# Altium PCB SG1.PcbDoc (part 2 of 3) (continued)
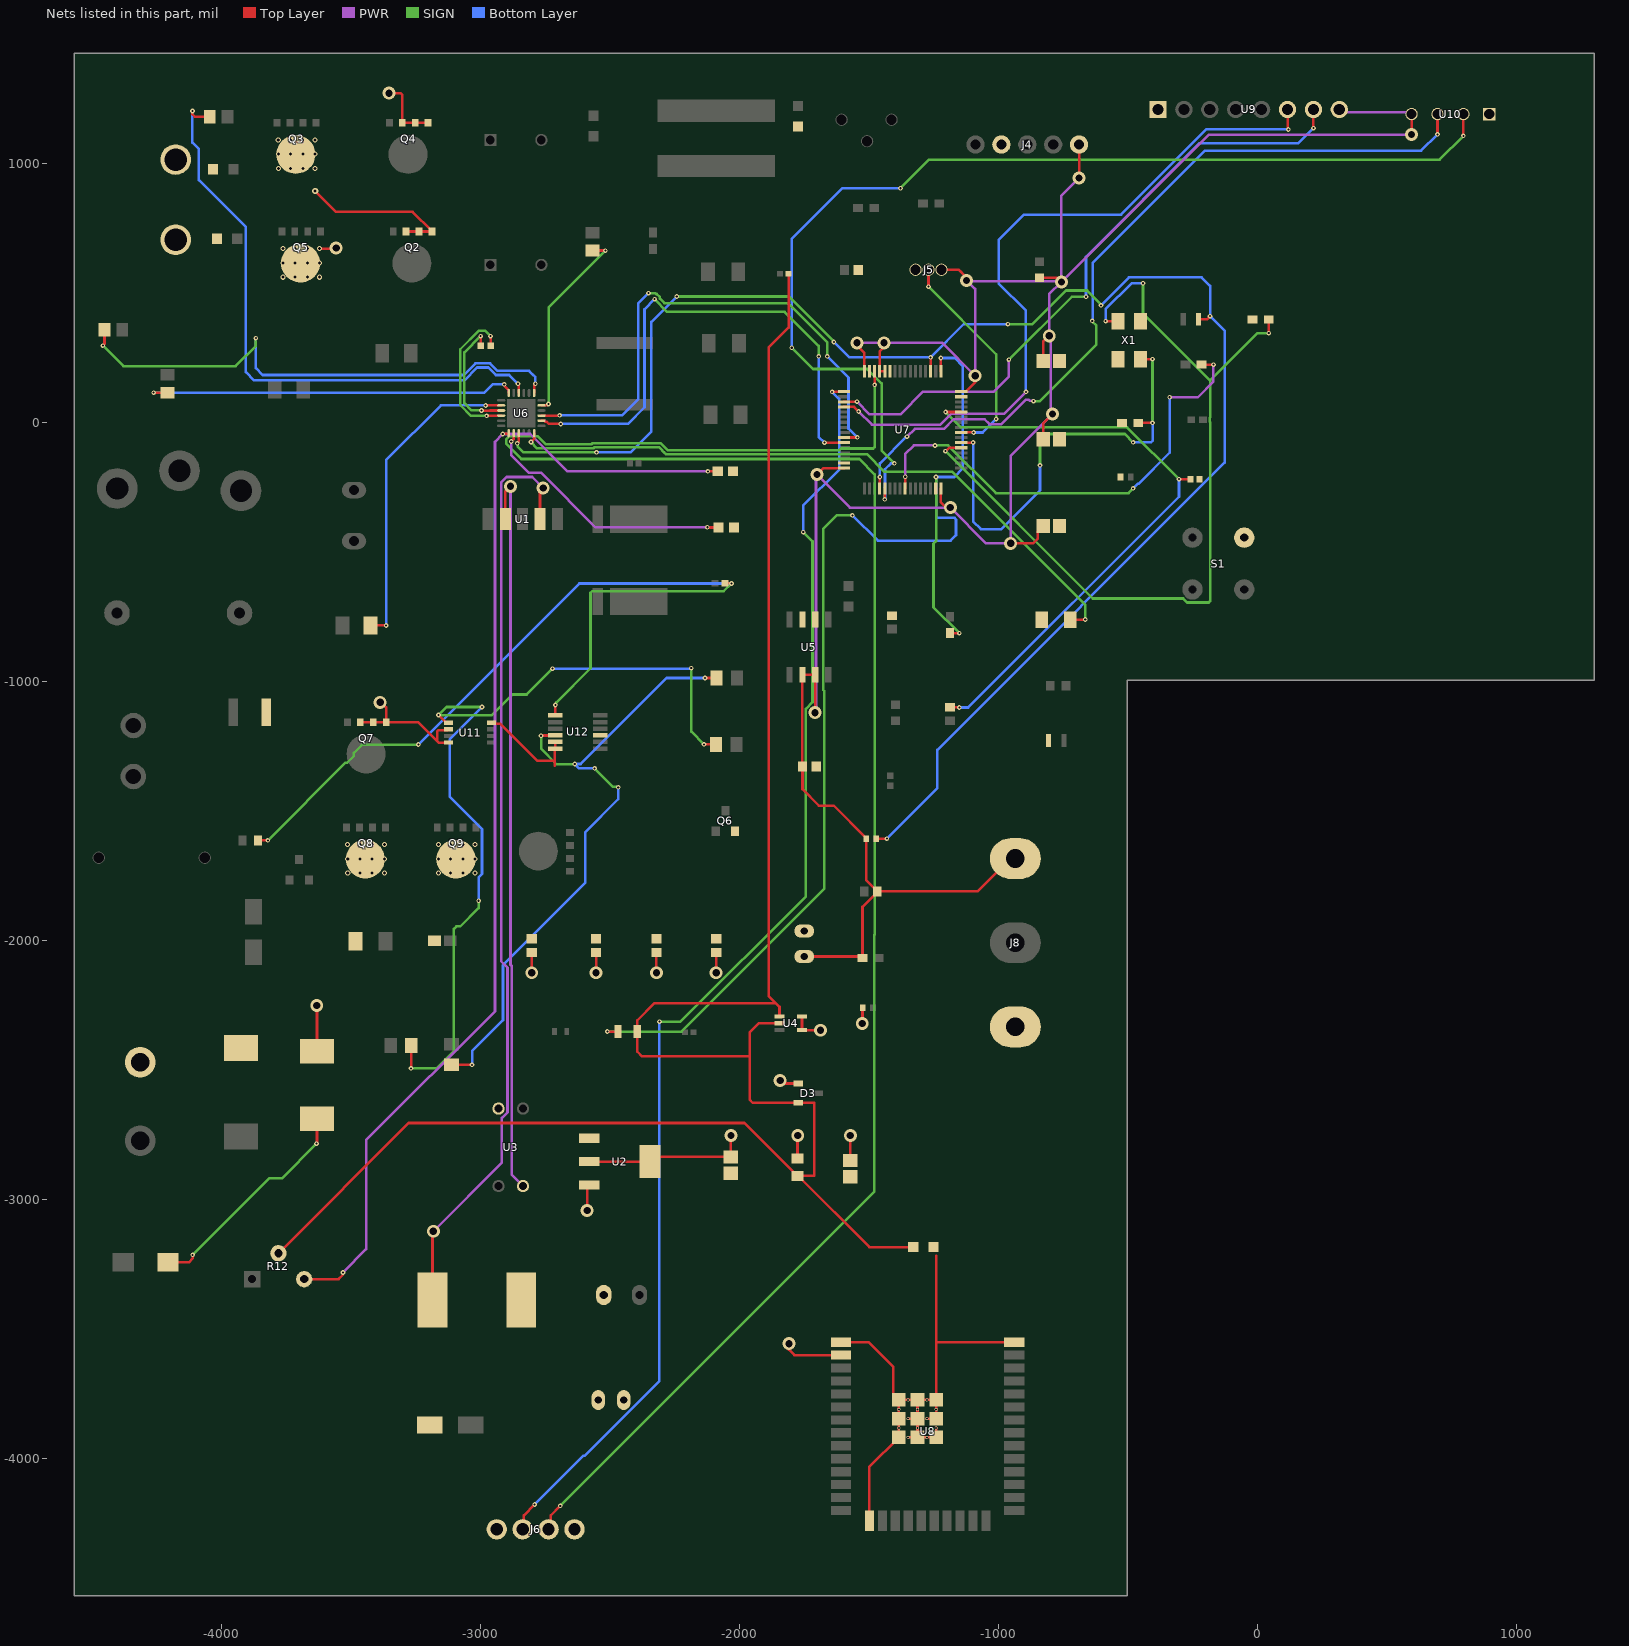
[diagram p6: the nets of this part, all layers, seen from the top]
## Part data (continued)
R30: "Res Thick Film 0805 187K Ohm 1% 0.125W(1/8W) ±100ppm/C Pad SMD T/R", Case Code (Imperial)=0805, Manufacturer="Yageo Group", Manufacturer Package Identifier="0805 (2012 metric)", Max Operating Temperature=155°C, Max Power Dissipation=125mW, Min Operating Temperature=-55°C, Supplier Part Number=RC0805FR-07187KL., Temperature Coefficient=100ppm/°C, Tolerance=1%, Voltage Rating=150V, Case/Package=0805, Category="Chip SMD Resistors", China RoHS=Non-Compliant, ComponentLink1Description=https://datasheet.octopart.com:443/RC0805FR-07187KL-Yageo-datasheet-175887523.pdf?src-supplier=IHS, ComponentLink1URL=https://datasheet.octopart.com:443/RC0805FR-07187KL-Yageo-datasheet-175887523.pdf?src-supplier=IHS, ComponentLink2Description=https://datasheet.octopart.com:443/RC0805FR-07187KL-Yageo-datasheet-103092701.pdf?src-supplier=Upverter, ComponentLink2URL=https://datasheet.octopart.com:443/RC0805FR-07187KL-Yageo-datasheet-103092701.pdf?src-supplier=Upverter, ComponentLink3Description=https://datasheet.octopart.com:443/RC0805FR-07187KL-Yageo-Group-datasheet-190305687.pdf?src-supplier=Future+Electronics, ComponentLink3URL=https://datasheet.octopart.com:443/RC0805FR-07187KL-Yageo-Group-datasheet-190305687.pdf?src-supplier=Future+Electronics, ComponentLink4Description=https://datasheet.octopart.com:443/RC0805FR-07187KL-Yageo-datasheet-12592811.pdf?src-supplier=Future+Electronics, ComponentLink4URL=https://datasheet.octopart.com:443/RC0805FR-07187KL-Yageo-datasheet-12592811.pdf?src-supplier=Future+Electronics, ComponentLink5Description=https://datasheet.octopart.com:443/RC0805FR-07187KL-Yageo-datasheet-8330313.pdf?src-supplier=Future+Electronics, ComponentLink5URL=https://datasheet.octopart.com:443/RC0805FR-07187KL-Yageo-datasheet-8330313.pdf?src-supplier=Future+Electronics, ComponentLink6Description=https://datasheet.octopart.com:443/RC0805FR-07187KL-Yageo-datasheet-8324252.pdf?src-supplier=Future+Electronics, ComponentLink6URL=https://datasheet.octopart.com:443/RC0805FR-07187KL-Yageo-datasheet-8324252.pdf?src-supplier=Future+Electronics, ComponentLink7Description=https://datasheet.octopart.com/RC0805FR-07187KL-Yageo-datasheet-73766026.pdf, ComponentLink7URL=https://datasheet.octopart.com/RC0805FR-07187KL-Yageo-datasheet-73766026.pdf, ComponentLink8Description=https://datasheet.octopart.com:443/RC0805FR-07187KL-Yageo-datasheet-118657.pdf?src-supplier=DigiKey, ComponentLink8URL=https://datasheet.octopart.com:443/RC0805FR-07187KL-Yageo-datasheet-118657.pdf?src-supplier=DigiKey, ComponentLink9Description=http://sigma.octopart.com:80/conflict_mineral_statement/Yageo-company-3.pdf?src-supplier=Compliance+Statements, ComponentLink9URL=http://sigma.octopart.com:80/conflict_mineral_statement/Yageo-company-3.pdf?src-supplier=Compliance+Statements, ComponentLink10Description=http://sigma.octopart.com:80/rohs_statement/Yageo-company-2.pdf?src-supplier=Compliance+Statements, ComponentLink10URL=http://sigma.octopart.com:80/rohs_statement/Yageo-company-2.pdf?src-supplier=Compliance+Statements, Composition="Thick Film", Contact Plating="Lead, Tin", Country of Origin="Mainland China, Taiwan", Export Control Classification Number (ECCN) Code=EAR99, Features="Moisture Resistant", Harmonized Tariff Schedule (HTS) Code=8533.21.00.30, Height=500µm, Lead Free="Lead Free", Length=2mm, Lifecycle Status=Production, Manufacturer Part Number=RC0805FR-07187KL, Mounting Technology="Surface Mount", Number of Terminals=2, Number of Terminations=2, Power Rating=125mW, Pricing="1=0,0999, 25=0,0088, 100=0,0077 (EUR)", Radiation Hardening=No, REACH SVHC=Yes, RoHS=Compliant, Schedule B="8533210045, 8533210045|8533210045|8533210045|8533210045|8533210045", Stock=1946, Supplier=Farnell, Termination=SMD/SMT, Width=1.25mm, Working Voltage=150V, Introduction Date=2004-09-22
R31: "Res Thick Film 0805 8.87K Ohm 1% 0.125W(1/8W) ±100ppm/C Pad SMD T/R", Case Code (Imperial)=0805, Manufacturer="Yageo Group", Manufacturer Package Identifier="0805 (2012 metric)", Max Operating Temperature=155°C, Max Power Dissipation=125mW, Min Operating Temperature=-55°C, Temperature Coefficient=100ppm/°C, Tolerance=1%, Voltage Rating=150V, Case/Package=0805, Category="Chip SMD Resistors", China RoHS=Non-Compliant, ComponentLink1Description=https://datasheet.octopart.com:443/RC0805FR-078K87L-Yageo-datasheet-175887523.pdf?src-supplier=Newark, ComponentLink1URL=https://datasheet.octopart.com:443/RC0805FR-078K87L-Yageo-datasheet-175887523.pdf?src-supplier=Newark, ComponentLink2Description=https://datasheet.octopart.com:443/RC0805FR-078K87L-Yageo-datasheet-103092701.pdf?src-supplier=Upverter, ComponentLink2URL=https://datasheet.octopart.com:443/RC0805FR-078K87L-Yageo-datasheet-103092701.pdf?src-supplier=Upverter, ComponentLink3Description=https://datasheet.octopart.com:443/RC0805FR-078K87L-Yageo-Group-datasheet-176638170.pdf?src-supplier=Future+Electronics, ComponentLink3URL=https://datasheet.octopart.com:443/RC0805FR-078K87L-Yageo-Group-datasheet-176638170.pdf?src-supplier=Future+Electronics, ComponentLink4Description=https://datasheet.octopart.com:443/RC0805FR-078K87L-Yageo-datasheet-164759695.pdf?src-supplier=Future+Electronics, ComponentLink4URL=https://datasheet.octopart.com:443/RC0805FR-078K87L-Yageo-datasheet-164759695.pdf?src-supplier=Future+Electronics, ComponentLink5Description=https://datasheet.octopart.com:443/RC0805FR-078K87L-Yageo-datasheet-12592811.pdf?src-supplier=Future+Electronics, ComponentLink5URL=https://datasheet.octopart.com:443/RC0805FR-078K87L-Yageo-datasheet-12592811.pdf?src-supplier=Future+Electronics, ComponentLink6Description=https://datasheet.octopart.com:443/RC0805FR-078K87L-Yageo-datasheet-8330313.pdf?src-supplier=Future+Electronics, ComponentLink6URL=https://datasheet.octopart.com:443/RC0805FR-078K87L-Yageo-datasheet-8330313.pdf?src-supplier=Future+Electronics, ComponentLink7Description=https://datasheet.octopart.com:443/RC0805FR-078K87L-Yageo-datasheet-8324252.pdf?src-supplier=Future+Electronics, ComponentLink7URL=https://datasheet.octopart.com:443/RC0805FR-078K87L-Yageo-datasheet-8324252.pdf?src-supplier=Future+Electronics, ComponentLink8Description=https://datasheet.octopart.com/RC0805FR-078K87L-Yageo-datasheet-73766026.pdf, ComponentLink8URL=https://datasheet.octopart.com/RC0805FR-078K87L-Yageo-datasheet-73766026.pdf, ComponentLink9Description=https://datasheet.octopart.com:443/RC0805FR-078K87L-Yageo-datasheet-118657.pdf?src-supplier=DigiKey, ComponentLink9URL=https://datasheet.octopart.com:443/RC0805FR-078K87L-Yageo-datasheet-118657.pdf?src-supplier=DigiKey, ComponentLink10Description=http://sigma.octopart.com:80/conflict_mineral_statement/Yageo-company-3.pdf?src-supplier=Compliance+Statements, ComponentLink10URL=http://sigma.octopart.com:80/conflict_mineral_statement/Yageo-company-3.pdf?src-supplier=Compliance+Statements, ComponentLink11Description=http://sigma.octopart.com:80/rohs_statement/Yageo-company-2.pdf?src-supplier=Compliance+Statements, ComponentLink11URL=http://sigma.octopart.com:80/rohs_statement/Yageo-company-2.pdf?src-supplier=Compliance+Statements, Composition="Thick Film", Contact Plating="Lead, Tin", Depth=1.25mm, Features="Moisture Resistant", Height=500µm, Lead Free="Lead Free", Length=2mm, Lifecycle Status=Production, Manufacturer Part Number=RC0805FR-078K87L, Military Standard=Not, Mounting Technology="Surface Mount", Number of Terminals=2, Number of Terminations=2, Power Rating=125mW, Pricing="5000=0,004 (EUR)", Radiation Hardening=No, REACH SVHC=Yes, RoHS=Compliant, Schedule B="8533210045, 8533210045|8533210045|8533210045|8533210045|8533210045", Stock=10000, Supplier=Farnell, Supplier Part Number=RC0805FR-078K87L, Termination=SMD/SMT, Voltage Rating (DC)=150V, Width=1.25mm, Working Voltage=150V
R32: "Res Thick Film 0805 13.3K Ohm 1% 0.125W(1/8W) ±100ppm/C Pad SMD T/R", Case Code (Imperial)=0805, Manufacturer="Yageo Group", Max Operating Temperature=155°C, Max Power Dissipation=125mW, Min Operating Temperature=-55°C, Temperature Coefficient=100ppm/°C, Tolerance=1%, Voltage Rating=150V, Case/Package=0805, Category="Chip SMD Resistors", China RoHS=Non-Compliant, ComponentLink1Description=https://datasheet.octopart.com:443/RC0805FR-0713K3L-Yageo-datasheet-175887523.pdf?src-supplier=Newark, ComponentLink1URL=https://datasheet.octopart.com:443/RC0805FR-0713K3L-Yageo-datasheet-175887523.pdf?src-supplier=Newark, ComponentLink2Description=https://datasheet.octopart.com:443/RC0805FR-0713K3L-Yageo-datasheet-103092701.pdf?src-supplier=Upverter, ComponentLink2URL=https://datasheet.octopart.com:443/RC0805FR-0713K3L-Yageo-datasheet-103092701.pdf?src-supplier=Upverter, ComponentLink3Description=https://datasheet.octopart.com:443/RC0805FR-0713K3L-Yageo-Group-datasheet-176638170.pdf?src-supplier=Future+Electronics, ComponentLink3URL=https://datasheet.octopart.com:443/RC0805FR-0713K3L-Yageo-Group-datasheet-176638170.pdf?src-supplier=Future+Electronics, ComponentLink4Description=https://datasheet.octopart.com:443/RC0805FR-0713K3L-Yageo-datasheet-164759695.pdf?src-supplier=Future+Electronics, ComponentLink4URL=https://datasheet.octopart.com:443/RC0805FR-0713K3L-Yageo-datasheet-164759695.pdf?src-supplier=Future+Electronics, ComponentLink5Description=https://datasheet.octopart.com:443/RC0805FR-0713K3L-Yageo-datasheet-12592811.pdf?src-supplier=Future+Electronics, ComponentLink5URL=https://datasheet.octopart.com:443/RC0805FR-0713K3L-Yageo-datasheet-12592811.pdf?src-supplier=Future+Electronics, ComponentLink6Description=https://datasheet.octopart.com:443/RC0805FR-0713K3L-Yageo-datasheet-8330313.pdf?src-supplier=Future+Electronics, ComponentLink6URL=https://datasheet.octopart.com:443/RC0805FR-0713K3L-Yageo-datasheet-8330313.pdf?src-supplier=Future+Electronics, ComponentLink7Description=https://datasheet.octopart.com:443/RC0805FR-0713K3L-Yageo-datasheet-8324252.pdf?src-supplier=Future+Electronics, ComponentLink7URL=https://datasheet.octopart.com:443/RC0805FR-0713K3L-Yageo-datasheet-8324252.pdf?src-supplier=Future+Electronics, ComponentLink8Description=https://datasheet.octopart.com:443/RC0805FR-0713K3L-Yageo-datasheet-148775077.pdf?src-supplier=TME, ComponentLink8URL=https://datasheet.octopart.com:443/RC0805FR-0713K3L-Yageo-datasheet-148775077.pdf?src-supplier=TME, ComponentLink9Description=https://datasheet.octopart.com/RC0805FR-0713K3L-Yageo-datasheet-73766026.pdf, ComponentLink9URL=https://datasheet.octopart.com/RC0805FR-0713K3L-Yageo-datasheet-73766026.pdf, ComponentLink10Description=https://datasheet.octopart.com:443/RC0805FR-0713K3L-Yageo-datasheet-118657.pdf?src-supplier=DigiKey, ComponentLink10URL=https://datasheet.octopart.com:443/RC0805FR-0713K3L-Yageo-datasheet-118657.pdf?src-supplier=DigiKey, ComponentLink11Description=http://sigma.octopart.com:80/conflict_mineral_statement/Yageo-company-3.pdf?src-supplier=Compliance+Statements, ComponentLink11URL=http://sigma.octopart.com:80/conflict_mineral_statement/Yageo-company-3.pdf?src-supplier=Compliance+Statements, ComponentLink12Description=http://sigma.octopart.com:80/rohs_statement/Yageo-company-2.pdf?src-supplier=Compliance+Statements, ComponentLink12URL=http://sigma.octopart.com:80/rohs_statement/Yageo-company-2.pdf?src-supplier=Compliance+Statements, Composition="Thick Film", Contact Plating="Lead, Tin", Country of Origin="Mainland China, Taiwan", Depth=1.25mm, Export Control Classification Number (ECCN) Code=EAR99, Features="Moisture Resistant", Harmonized Tariff Schedule (HTS) Code=8533.21.00.30, Height=500µm, Lead Free="Lead Free", Length=2mm, Lifecycle Status=Production, Manufacturer Part Number=RC0805FR-0713K3L, Military Standard=Not, Mounting Technology="Surface Mount", Number of Terminals=2, Number of Terminations=2, Packaging="Tape & Reel", Power Rating=125mW, Pricing="10=0,0076, 100=0,0069, 500=0,0068, 1000=0,0066, 2500=0,0065 (EUR)", Radiation Hardening=No, REACH SVHC=Yes, RoHS=Compliant, Schedule B="8533210045, 8533210045|8533210045|8533210045|8533210045|8533210045", Stock=7949, Supplier=Farnell, Supplier Part Number=RC0805FR-0713K3L, Termination=SMD/SMT, Width=1.25mm, Working Voltage=150V, Introduction Date=2004-09-22
R35: "Res Thick Film 0603 71.5K Ohm 1% 0.1W(1/10W) ±100ppm/C Pad SMD T/R", Case Code (Imperial)=0603, Manufacturer="Yageo Group", Max Operating Temperature=155°C, Max Power Dissipation=100mW, Min Operating Temperature=-55°C, Temperature Coefficient=100ppm/°C, Tolerance=1%, Voltage Rating=75V, Voltage Rating (DC)=50V, Case/Package=0603, Category="Chip SMD Resistors", China RoHS=Non-Compliant, ComponentLink1Description=https://datasheet.octopart.com:443/RC0603FR-0771K5L-Yageo-datasheet-175887523.pdf?src-supplier=Newark, ComponentLink1URL=https://datasheet.octopart.com:443/RC0603FR-0771K5L-Yageo-datasheet-175887523.pdf?src-supplier=Newark, ComponentLink2Description=https://datasheet.octopart.com:443/RC0603FR-0771K5L-Yageo-datasheet-103092701.pdf?src-supplier=Upverter, ComponentLink2URL=https://datasheet.octopart.com:443/RC0603FR-0771K5L-Yageo-datasheet-103092701.pdf?src-supplier=Upverter, ComponentLink3Description=https://datasheet.octopart.com:443/RC0603FR-0771K5L-Yageo-Group-datasheet-190305687.pdf?src-supplier=Future+Electronics, ComponentLink3URL=https://datasheet.octopart.com:443/RC0603FR-0771K5L-Yageo-Group-datasheet-190305687.pdf?src-supplier=Future+Electronics, ComponentLink4Description=https://datasheet.octopart.com:443/RC0603FR-0771K5L-Yageo-datasheet-164759695.pdf?src-supplier=Future+Electronics, ComponentLink4URL=https://datasheet.octopart.com:443/RC0603FR-0771K5L-Yageo-datasheet-164759695.pdf?src-supplier=Future+Electronics, ComponentLink5Description=https://datasheet.octopart.com:443/RC0603FR-0771K5L-Yageo-datasheet-137700087.pdf?src-supplier=Future+Electronics, ComponentLink5URL=https://datasheet.octopart.com:443/RC0603FR-0771K5L-Yageo-datasheet-137700087.pdf?src-supplier=Future+Electronics, ComponentLink6Description=https://datasheet.octopart.com:443/RC0603FR-0771K5L-Yageo-datasheet-17842380.pdf?src-supplier=Future+Electronics, ComponentLink6URL=https://datasheet.octopart.com:443/RC0603FR-0771K5L-Yageo-datasheet-17842380.pdf?src-supplier=Future+Electronics, ComponentLink7Description=https://datasheet.octopart.com:443/RC0603FR-0771K5L-Yageo-datasheet-15599030.pdf?src-supplier=Future+Electronics, ComponentLink7URL=https://datasheet.octopart.com:443/RC0603FR-0771K5L-Yageo-datasheet-15599030.pdf?src-supplier=Future+Electronics, ComponentLink8Description=https://datasheet.octopart.com:443/RC0603FR-0771K5L-Yageo-datasheet-12596169.pdf?src-supplier=Future+Electronics, ComponentLink8URL=https://datasheet.octopart.com:443/RC0603FR-0771K5L-Yageo-datasheet-12596169.pdf?src-supplier=Future+Electronics, ComponentLink9Description=https://datasheet.octopart.com:443/RC0603FR-0771K5L-Yageo-datasheet-8328172.pdf?src-supplier=Future+Electronics, ComponentLink9URL=https://datasheet.octopart.com:443/RC0603FR-0771K5L-Yageo-datasheet-8328172.pdf?src-supplier=Future+Electronics, ComponentLink10Description=https://datasheet.octopart.com:443/RC0603FR-0771K5L-Yageo-Group-datasheet-189192902.pdf?src-supplier=TME, ComponentLink10URL=https://datasheet.octopart.com:443/RC0603FR-0771K5L-Yageo-Group-datasheet-189192902.pdf?src-supplier=TME, ComponentLink11Description=https://datasheet.octopart.com:443/RC0603FR-0771K5L-Yageo-Group-datasheet-176638170.pdf?src-supplier=TME, ComponentLink11URL=https://datasheet.octopart.com:443/RC0603FR-0771K5L-Yageo-Group-datasheet-176638170.pdf?src-supplier=TME, ComponentLink12Description=https://datasheet.octopart.com:443/RC0603FR-0771K5L-Yageo-datasheet-79472498.pdf?src-supplier=Megastar, ComponentLink12URL=https://datasheet.octopart.com:443/RC0603FR-0771K5L-Yageo-datasheet-79472498.pdf?src-supplier=Megastar, ComponentLink13Description=https://datasheet.octopart.com/RC0603FR-0771K5L-Yageo-datasheet-73766026.pdf, ComponentLink13URL=https://datasheet.octopart.com/RC0603FR-0771K5L-Yageo-datasheet-73766026.pdf, ComponentLink14Description=https://datasheet.octopart.com:443/RC0603FR-0771K5L-Yageo-datasheet-118562.pdf?src-supplier=DigiKey, ComponentLink14URL=https://datasheet.octopart.com:443/RC0603FR-0771K5L-Yageo-datasheet-118562.pdf?src-supplier=DigiKey, ComponentLink15Description=http://sigma.octopart.com:80/conflict_mineral_statement/Yageo-company-3.pdf?src-supplier=Compliance+Statements, ComponentLink15URL=http://sigma.octopart.com:80/conflict_mineral_statement/Yageo-company-3.pdf?src-supplier=Compliance+Statements, ComponentLink16Description=http://sigma.octopart.com:80/rohs_statement/Yageo-company-2.pdf?src-supplier=Compliance+Statements, ComponentLink16URL=http://sigma.octopart.com:80/rohs_statement/Yageo-company-2.pdf?src-supplier=Compliance+Statements, Composition="Thick Film", Country of Origin="Mainland China, Taiwan", Export Control Classification Number (ECCN) Code=EAR99, Features="Moisture Resistant", Harmonized Tariff Schedule (HTS) Code=8533.21.00.30, Height=450µm, Lead Free="Lead Free", Length=1.6mm, Lifecycle Status=Production, Manufacturer Part Number=RC0603FR-0771K5L, Mounting Technology="Surface Mount", Number of Terminals=2, Number of Terminations=2, Packaging="Tape & Reel", Power Rating=100mW, Pricing="10=0,0061, 100=0,0052, 500=0,0048, 1000=0,0043, 2500=0,0037 (EUR)", REACH SVHC=Yes, RoHS=Compliant, Schedule B="8533210045, 8533210045|8533210045, 8533210045|8533210045|8533210045, 8533210045|8533210045|8533210045|8533210045", Stock=10380, Supplier=Farnell, Supplier Part Number=RC0603FR-0771K5L, Termination=SMD/SMT, Weight=2.012816mg, Width=800µm, Working Voltage=75V, Introduction Date=2004-09-22
R36: "Res Thick Film 0402 4.99K Ohm 1% 0.1W(1/10W) ±100ppm/C Pad SMD Automotive T/R", Case Code (Imperial)=0402, Manufacturer=Panasonic, Manufacturer Lifecycle Status=ACTIVE, Manufacturer Part Number=ERJ2RKF4991X, Max Operating Temperature=155°C, Max Power Dissipation=100mW, Min Operating Temperature=-55°C, Ratings=AEC-Q200, Temperature Coefficient=100ppm/°C, Tolerance=1%, Voltage Rating=50V, Case/Package=0402, Category="Chip SMD Resistors", China RoHS=Non-Compliant, ComponentLink1Description=https://sigma.octopart.com:443/138766958/technical_drawing/Panasonic-ERJ-2RKF4991X.pdf?src-supplier=Upverter, ComponentLink1URL=https://sigma.octopart.com:443/138766958/technical_drawing/Panasonic-ERJ-2RKF4991X.pdf?src-supplier=Upverter, ComponentLink2Description=https://datasheet.octopart.com:443/ERJ2RKF4991X-Panasonic-datasheet-82288794.pdf?src-supplier=Upverter, ComponentLink2URL=https://datasheet.octopart.com:443/ERJ2RKF4991X-Panasonic-datasheet-82288794.pdf?src-supplier=Upverter, ComponentLink3Description=https://datasheet.octopart.com:443/ERJ2RKF4991X-Panasonic-datasheet-13266541.pdf?src-supplier=RS+(Formerly+Allied+Electronics), ComponentLink3URL=https://datasheet.octopart.com:443/ERJ2RKF4991X-Panasonic-datasheet-13266541.pdf?src-supplier=RS+(Formerly+Allied+Electronics), ComponentLink4Description=https://datasheet.octopart.com:443/ERJ2RKF4991X-Panasonic-datasheet-48891056.pdf?src-supplier=Newark, ComponentLink4URL=https://datasheet.octopart.com:443/ERJ2RKF4991X-Panasonic-datasheet-48891056.pdf?src-supplier=Newark, ComponentLink5Description=https://datasheet.octopart.com:443/ERJ2RKF4991X-Panasonic-datasheet-136608610.pdf?src-supplier=Newark, ComponentLink5URL=https://datasheet.octopart.com:443/ERJ2RKF4991X-Panasonic-datasheet-136608610.pdf?src-supplier=Newark, ComponentLink6Description=https://datasheet.octopart.com:443/ERJ2RKF4991X-Panasonic-datasheet-10025800.pdf?src-supplier=Future+Electronics, ComponentLink6URL=https://datasheet.octopart.com:443/ERJ2RKF4991X-Panasonic-datasheet-10025800.pdf?src-supplier=Future+Electronics, ComponentLink7Description=https://datasheet.octopart.com:443/ERJ2RKF4991X-Panasonic-datasheet-8853621.pdf?src-supplier=Future+Electronics, ComponentLink7URL=https://datasheet.octopart.com:443/ERJ2RKF4991X-Panasonic-datasheet-8853621.pdf?src-supplier=Future+Electronics, ComponentLink8Description=https://datasheet.octopart.com:443/ERJ2RKF4991X-Panasonic-datasheet-5313456.pdf?src-supplier=Future+Electronics, ComponentLink8URL=https://datasheet.octopart.com:443/ERJ2RKF4991X-Panasonic-datasheet-5313456.pdf?src-supplier=Future+Electronics, ComponentLink9Description=https://datasheet.octopart.com:443/ERJ-2RKF4991X-Panasonic-datasheet-154766169.pdf?src-supplier=Master+Electronics, ComponentLink9URL=https://datasheet.octopart.com:443/ERJ-2RKF4991X-Panasonic-datasheet-154766169.pdf?src-supplier=Master+Electronics, ComponentLink10Description=https://datasheet.octopart.com:443/ERJ2RKF4991X-Panasonic-datasheet-188592431.pdf?src-supplier=TME, ComponentLink10URL=https://datasheet.octopart.com:443/ERJ2RKF4991X-Panasonic-datasheet-188592431.pdf?src-supplier=TME, ComponentLink11Description=https://datasheet.octopart.com:443/ERJ2RKF4991X-Panasonic-datasheet-164353789.pdf?src-supplier=TME, ComponentLink11URL=https://datasheet.octopart.com:443/ERJ2RKF4991X-Panasonic-datasheet-164353789.pdf?src-supplier=TME, ComponentLink12Description=https://datasheet.octopart.com/ERJ2RKF4991X-Panasonic-datasheet-78375410.pdf, ComponentLink12URL=https://datasheet.octopart.com/ERJ2RKF4991X-Panasonic-datasheet-78375410.pdf, ComponentLink13Description=https://datasheet.octopart.com/Precision-Thick-Film-Chip-Resistors-Panasonic-datasheet-family-106.pdf, ComponentLink13URL=https://datasheet.octopart.com/Precision-Thick-Film-Chip-Resistors-Panasonic-datasheet-family-106.pdf, ComponentLink14Description=https://datasheet.octopart.com:443/ERJ-2RKF4991X-Panasonic---ECG-datasheet-15994758.pdf?src-supplier=Farnell, ComponentLink14URL=https://datasheet.octopart.com:443/ERJ-2RKF4991X-Panasonic---ECG-datasheet-15994758.pdf?src-supplier=Farnell, ComponentLink15Description=https://datasheet.octopart.com:443/ERJ-2RKF4991X-Panasonic-datasheet-11542829.pdf?src-supplier=Arrow+Electronics, ComponentLink15URL=https://datasheet.octopart.com:443/ERJ-2RKF4991X-Panasonic-datasheet-11542829.pdf?src-supplier=Arrow+Electronics, ComponentLink16Description=https://datasheet.octopart.com:443/ERJ-2RKF4991X-Panasonic-datasheet-118621.pdf?src-supplier=DigiKey, ComponentLink16URL=https://datasheet.octopart.com:443/ERJ-2RKF4991X-Panasonic-datasheet-118621.pdf?src-supplier=DigiKey, ComponentLink17Description=https://datasheet.octopart.com:443/ERJ-2RKF4991X-Panasonic-datasheet-41391857.pdf?src-supplier=Electro+Sonic, ComponentLink17URL=https://datasheet.octopart.com:443/ERJ-2RKF4991X-Panasonic-datasheet-41391857.pdf?src-supplier=Electro+Sonic, Composition="Thick Film", Contact Plating=Tin, Country of Origin="Japan, Mainland China", Depth=500µm, Export Control Classification Number (ECCN) Code=EAR99, Features="Automotive AEC-Q200", Harmonized Tariff Schedule (HTS) Code=8533.21.00.30, Height=350µm, Lead Free="Lead Free", Length=1mm, Lifecycle Status=Production, Military Standard=Not, Mounting Technology="Surface Mount", Number of Terminals=2, Number of Terminations=2, Packaging="Cut Tape", Part Series="Precision Thick Film Chip Resistors", Pins=2, Power Rating=100mW, Pricing="10=0,0178, 100=0,0146, 500=0,0095, 2500=0,0084, 5000=0,0074 (EUR)", Radiation Hardening=No, REACH SVHC=Yes, RoHS=Compliant, Schedule B="8533210045, 8533210045|8533210045|8533210045|8533210045|8533210045", Stock=140569, Supplier=Farnell, Supplier Part Number=ERJ2RKF4991X, Termination=SMD/SMT, Voltage Rating (DC)=50V, Weight=793.786648µg, Width=500µm, Working Voltage=50V, Introduction Date=2004-02-02
RL1: "24V 30A Amperli T Röle HK15F-DC24V-S-K"
RS1: "Res Metal Strip 4026 0.0005 Ohm 1% 7W ±75ppm/C Metal Pad SMD Automotive T/R", Case Code (Metric)=1066, Case Code (Imperial)=4026, Manufacturer=Vishay, Max Operating Temperature=170°C, Max Power Dissipation=7W, Min Operating Temperature=-65°C, Ratings=AEC-Q200, Temperature Coefficient=75ppm/°C, Tolerance=1%, Working Voltage=59.2mV, Case/Package=4026, Category="Chip SMD Resistors", China RoHS=Compliant, ComponentLink1Description=https://datasheet.octopart.com:443/WSLP4026L5000FEA-Vishay-datasheet-181963782.pdf?src-supplier=IHS, ComponentLink1URL=https://datasheet.octopart.com:443/WSLP4026L5000FEA-Vishay-datasheet-181963782.pdf?src-supplier=IHS, ComponentLink2Description=https://datasheet.octopart.com:443/WSLP4026L5000FEA-Vishay-datasheet-62319862.pdf?src-supplier=Newark, ComponentLink2URL=https://datasheet.octopart.com:443/WSLP4026L5000FEA-Vishay-datasheet-62319862.pdf?src-supplier=Newark, ComponentLink3Description=https://datasheet.octopart.com:443/WSLP4026L5000FEA-Vishay-datasheet-25365648.pdf?src-supplier=Newark, ComponentLink3URL=https://datasheet.octopart.com:443/WSLP4026L5000FEA-Vishay-datasheet-25365648.pdf?src-supplier=Newark, ComponentLink4Description=https://datasheet.octopart.com:443/WSLP4026L5000FEA-Vishay-datasheet-179246766.pdf?src-supplier=TME, ComponentLink4URL=https://datasheet.octopart.com:443/WSLP4026L5000FEA-Vishay-datasheet-179246766.pdf?src-supplier=TME, ComponentLink5Description=https://datasheet.octopart.com:443/WSLP4026L5000FEA-Vishay-datasheet-83134227.pdf?src-supplier=Future+Electronics, ComponentLink5URL=https://datasheet.octopart.com:443/WSLP4026L5000FEA-Vishay-datasheet-83134227.pdf?src-supplier=Future+Electronics, ComponentLink6Description=http://sigma.octopart.com:80/rohs_statement/Vishay-company-15.pdf?src-supplier=Compliance+Statements, ComponentLink6URL=http://sigma.octopart.com:80/rohs_statement/Vishay-company-15.pdf?src-supplier=Compliance+Statements, Composition="Metal Strip", Features="Moisture Resistant", Height=2.95mm, Length=10.1mm, Lifecycle Status=Production, Manufacturer Part Number=WSLP4026L5000FEA, Mounting Technology="Surface Mount", Number of Terminals=4, Number of Terminations=4, Power Rating=7W, Pricing="1500=2 (USD)", REACH SVHC=Yes, RoHS=Compliant, Supplier="Future Electronics", Supplier Part Number=WSLP4026L5000FEA, Width=6.6mm
S1: "SWITCH PUSH SPST-NO 0.4VA 28V", Color - Actuator/Cap=Black, Current Rating (Amps)="0.4VA (AC/DC)", Manufacturer="NKK Switches", Operating Temperature="-30°C ~ 85°C", Supplier Part Number 1=360-2703-ND, Voltage Rating - AC=28V, Actuator Type="Round, Button", Circuit=SPST-NO, ComponentLink1Description=Datasheet, ComponentLink1URL=https://www.nkkswitches.com/pdf/Apushbuttons.pdf, ComponentLink2Description="DigiKey Link", ComponentLink2URL=//digikey.com/product-detail/en/nkk-switches/AB11AH-HA/360-2703-ND/1056050, Features="Sealed - Fully", lastupdated="12.12.2019 08:13:11", Lifecycle Status=0, Minimum Order=1, Mounting Type="Through Hole, Right Angle", Packaging=Tray, Part Number=AB11AH-HA, Part Status=Active, price=5.00, Series=AB, Supplier 1=DigiKey, Switch Function=Off-Mom, Termination Style="PC Pin", Type=Standard, Voltage Rating - DC=28V
U1: "Conv DC-DC 4.5V to 40V Step Down Single-Out 1.23V to 37V 3A 6-Pin(5+Tab) D2PAK Tube", Case/Package=D2PAK, Manufacturer=onsemi, Manufacturer Lifecycle Status=ACTIVE, Manufacturer Part Number=LM2596DSADJG, Max Junction Temperature (Tj)=125°C, Max Output current=7.5A, Max Output Voltage=37V, Max Supply Voltage=40V, Max Switching Frequency=180kHz, Min Operating Temperature=-40°C, Min Output Voltage=1.23V, Min Supply Voltage=4.5V, Nominal Output Voltage=5V, Nominal Supply Current=5mA, Nominal Supply Voltage=12V, Output Current=3A, Supplier Part Number=2534162, Switching Frequency=150Hz, Category="Voltage Regulators - Switching", China RoHS=Non-Compliant, ComponentLink1Description=https://datasheet.octopart.com:443/LM2596DSADJG-ON-Semiconductor-datasheet-11796857.pdf?src-supplier=JRH+Electronics, ComponentLink1URL=https://datasheet.octopart.com:443/LM2596DSADJG-ON-Semiconductor-datasheet-11796857.pdf?src-supplier=JRH+Electronics, ComponentLink2Description=https://datasheet.octopart.com:443/LM2596DSADJG-onsemi-datasheet-180961345.pdf?src-supplier=Farnell, ComponentLink2URL=https://datasheet.octopart.com:443/LM2596DSADJG-onsemi-datasheet-180961345.pdf?src-supplier=Farnell, ComponentLink3Description=https://sigma.octopart.com:443/138898132/technical_drawing/ON-Semiconductor-LM2596DSADJG.pdf?src-supplier=Upverter, ComponentLink3URL=https://sigma.octopart.com:443/138898132/technical_drawing/ON-Semiconductor-LM2596DSADJG.pdf?src-supplier=Upverter, ComponentLink4Description=https://datasheet.octopart.com:443/LM2596DSADJG-ON-Semiconductor-datasheet-62289847.pdf?src-supplier=element14+APAC, ComponentLink4URL=https://datasheet.octopart.com:443/LM2596DSADJG-ON-Semiconductor-datasheet-62289847.pdf?src-supplier=element14+APAC, ComponentLink5Description=https://datasheet.octopart.com:443/LM2596DSADJG-ON-Semiconductor-datasheet-130255974.pdf?src-supplier=TME, ComponentLink5URL=https://datasheet.octopart.com:443/LM2596DSADJG-ON-Semiconductor-datasheet-130255974.pdf?src-supplier=TME, ComponentLink6Description=https://datasheet.octopart.com:443/LM2596DSADJG-ON-Semiconductor-datasheet-41764107.pdf?src-supplier=RS+(Formerly+Allied+Electronics), ComponentLink6URL=https://datasheet.octopart.com:443/LM2596DSADJG-ON-Semiconductor-datasheet-41764107.pdf?src-supplier=RS+(Formerly+Allied+Electronics), ComponentLink7Description=http://sigma.octopart.com:80/15540786/rohs_certificate/ON-Semiconductor-LM2596DSADJG.pdf?src-supplier=Compliance+Statements, ComponentLink7URL=http://sigma.octopart.com:80/15540786/rohs_certificate/ON-Semiconductor-LM2596DSADJG.pdf?src-supplier=Compliance+Statements, ComponentLink8Description=http://sigma.octopart.com:80/15676848/materials_sheet/ON-Semiconductor-LM2596DSADJG.csv?src-supplier=Compliance+Statements, ComponentLink8URL=http://sigma.octopart.com:80/15676848/materials_sheet/ON-Semiconductor-LM2596DSADJG.csv?src-supplier=Compliance+Statements, ComponentLink9Description=http://sigma.octopart.com:80/150613181/rohs_statement/ON-Semiconductor-LM2596DSADJG.pdf?src-supplier=Compliance+Statements, ComponentLink9URL=http://sigma.octopart.com:80/150613181/rohs_statement/ON-Semiconductor-LM2596DSADJG.pdf?src-supplier=Compliance+Statements, ComponentLink10Description=http://sigma.octopart.com:80/reach_statement/ON-Semiconductor-company-79.pdf?src-supplier=Compliance+Statements, ComponentLink10URL=http://sigma.octopart.com:80/reach_statement/ON-Semiconductor-company-79.pdf?src-supplier=Compliance+Statements, ComponentLink11Description=https://octopart.com:443/opatz8j6/c1?t=oT4azNMBCRdNr4JB2es6ib24tMsaAQUbmMEJXGIb7MTKDbdgd3KKbfJR36CtWkgzryCe2qI11MR_nrhpaW3ZGFx62WySwDlBob3uoPAUucWHklYx0BaMJ_-iQ0FVxO1J7T1_lBmpr6Xa-RwUeyt-289S9K0kgAiDjFPfrYNjZ-7HUJXsVaPSLe6623QdEXGrn5ut6XGXdlM2XAV6LQCO9fcg-V1bvlb77HZ5dQI5txPPGBwKzQ-O_MvKaygEutqLX-m_VvBPVeFhc-eIqmBYap3x8SR8Us1Mdzu7U--B1WHN_ktKy_7Cpts17e9YaRHt96YZwqNpnI4vxPPbibjTIaO5tOBQVudy7bRTr0uOrn0&src-supplier=Compliance+Statements, ComponentLink11URL=https://octopart.com:443/opatz8j6/c1?t=oT4azNMBCRdNr4JB2es6ib24tMsaAQUbmMEJXGIb7MTKDbdgd3KKbfJR36CtWkgzryCe2qI11MR_nrhpaW3ZGFx62WySwDlBob3uoPAUucWHklYx0BaMJ_-iQ0FVxO1J7T1_lBmpr6Xa-RwUeyt-289S9K0kgAiDjFPfrYNjZ-7HUJXsVaPSLe6623QdEXGrn5ut6XGXdlM2XAV6LQCO9fcg-V1bvlb77HZ5dQI5txPPGBwKzQ-O_MvKaygEutqLX-m_VvBPVeFhc-eIqmBYap3x8SR8Us1Mdzu7U--B1WHN_ktKy_7Cpts17e9YaRHt96YZwqNpnI4vxPPbibjTIaO5tOBQVudy7bRTr0uOrn0&src-supplier=Compliance+Statements, ComponentLink12Description=https://octopart.com:443/opatz8j6/c1?t=Dg2TvkwHK56choIH4o1UeiJEbNHaQuOp4jXveqQ-QKgJvRtRpJDRB4WzsWQQe-X1Yn940rt-yMOdkVo9dLItVNRkZsEPflQAfOoSTh_i3W12TKwdTZggiVL5GhB3g0xAvn-cbksnNXbkP3Y1q5okPlQdUk_tuihM5cOUhOlv_D7nNvDg6i35cMc6102nZhEEe-vjBEPf2fOSvnAmys-NC5C3iuqjw6pZ3_Mt5xXK8OYTznpIyE5gNPlnpx207o-CJtnQrTeg-O7-8ZlG_TIdoFmJeJJnOVqfmMBVC_6LU1whf0jybcgkVv2AXQSl74opr3FjWrT99UyS1IpWb1sY9hqrV4xjhbo9eZQmjD3Ziw&src-supplier=Compliance+Statements, ComponentLink12URL=https://octopart.com:443/opatz8j6/c1?t=Dg2TvkwHK56choIH4o1UeiJEbNHaQuOp4jXveqQ-QKgJvRtRpJDRB4WzsWQQe-X1Yn940rt-yMOdkVo9dLItVNRkZsEPflQAfOoSTh_i3W12TKwdTZggiVL5GhB3g0xAvn-cbksnNXbkP3Y1q5okPlQdUk_tuihM5cOUhOlv_D7nNvDg6i35cMc6102nZhEEe-vjBEPf2fOSvnAmys-NC5C3iuqjw6pZ3_Mt5xXK8OYTznpIyE5gNPlnpx207o-CJtnQrTeg-O7-8ZlG_TIdoFmJeJJnOVqfmMBVC_6LU1whf0jybcgkVv2AXQSl74opr3FjWrT99UyS1IpWb1sY9hqrV4xjhbo9eZQmjD3Ziw&src-supplier=Compliance+Statements, Contact Plating=Tin, Efficiency=73%, Halogen Free="Halogen Free", Height=4.826mm, Lead Free="Lead Free", Length=10.02mm, Lifecycle Status=Production, Max Duty Cycle=95%, Max Operating Temperature=125°C, Min Input Voltage=4.5V, Mounting Technology="Surface Mount", Number of Channels=1, Number of Circuits=1, Number of Outputs=1, Number of Terminals=5, Operating Supply Voltage=40V, Output Type=Adjustable, Output Voltage=37V, Pins=5, Pricing="1=2,23, 10=1,74, 50=1,46, 100=1,4, 250=1,26, 500=1,24, 1000=1,22, 2500=1,18 (EUR)", Radiation Hardening=No, REACH SVHC=No, RoHS=Compliant, Schedule B="8542390000, 8542390000|8542390000|8542390000|8542390000|8542390000", Stock=7042, Supplier=Farnell, Synchronous Rectifier=No, Terminal Pitch=1.702mm, Topology=Buck, Width=9.1945mm
U3: "Optocoupler DC-IN 1-CH Transistor DC-OUT 4-Pin PDIP Sleeve", Case/Package=DIP, Collector Emitter Breakdown Voltage=80V, Collector Emitter Saturation Voltage=200mV, Current Transfer Ratio=80%, Dark Current=100nA, Forward Current=50mA, Forward Voltage=1.2V, Manufacturer=Sharp, Manufacturer Part Number=PC817X1J000F, Max Operating Temperature=100°C, Max Power Dissipation=200mW, Min Operating Temperature=-30°C, Reverse Breakdown Voltage=6V, Supplier Part Number=9707697, Input Current=20mA, Isolation Voltage=5kV, Category=Optocouplers, Collector Emitter Voltage (VCEO)=80V, ComponentLink1Description=https://datasheet.octopart.com:443/PC817X1J000F-Sharp-datasheet-162829.pdf?src-supplier=element14+APAC, ComponentLink1URL=https://datasheet.octopart.com:443/PC817X1J000F-Sharp-datasheet-162829.pdf?src-supplier=element14+APAC, ComponentLink2Description=https://datasheet.octopart.com:443/PC817X1J000F-Sharp-datasheet-180744121.pdf?src-supplier=IHS, ComponentLink2URL=https://datasheet.octopart.com:443/PC817X1J000F-Sharp-datasheet-180744121.pdf?src-supplier=IHS, ComponentLink3Description=https://datasheet.octopart.com:443/PC817X1J000F-Sharp-Microelectronics-datasheet-123893.pdf?src-supplier=DigiKey, ComponentLink3URL=https://datasheet.octopart.com:443/PC817X1J000F-Sharp-Microelectronics-datasheet-123893.pdf?src-supplier=DigiKey, Fall Time=18µs, Height=4.5mm, Lead Free="Lead Free", Lifecycle Status=Obsolete, Max Collector Current=50mA, Max Input Current=50mA, Mounting Technology="Through Hole", Number of Channels=1, Number of Elements=1, Output Current per Channel=50mA, Output Voltage=80V, Pins=4, Power Dissipation=200mW, Pricing="1=0,92, 25=0,49, 100=0,33, 250=0,28, 500=0,24, 1000=0,21, 3000=0,191, 10000=0,171 (EUR)", Radiation Hardening=No, REACH SVHC=Yes, Reverse Voltage=6V, Rise Time=18µs, RoHS=Compliant, Supplier=Farnell, Width=6.5mm
U4: "2.2V-Capable, 10 uA Analog Output Temperature Sensor in SC70 and TO-92 5-SC70 -50 to 150", Ambient Temperature Range High=150°C, Case/Package=SC, Manufacturer="Texas Instruments", Manufacturer Lifecycle Status=OBSOLETE, Max Supply Voltage=5.5V, Min Operating Temperature=-50°C, Min Supply Voltage=2.2V, Nominal Supply Current=5.4µA, Output Current=7mA, Output Voltage=150mV, Supplier Part Number=595-LMT86DCKT, Category="Temperature and Humidity Sensors", ComponentLink1Description=https://sigma.octopart.com:443/182282879/technical_drawing/Texas-Instruments-LMT86DCKT.pdf?src-supplier=Texas+Instruments, ComponentLink1URL=https://sigma.octopart.com:443/182282879/technical_drawing/Texas-Instruments-LMT86DCKT.pdf?src-supplier=Texas+Instruments, ComponentLink2Description=https://octopart.com:443/opatz8j6/c1?t=9HQWOq9vND9b112XOORCH9Vsw1tDULado_71xZVJD5NCDKKbo5Ghebw2v1WkowqZDmkFyXd3CdhKpSqCk7PtQOQ7x-G2JpCPf_WjxdC5NMg5jKfyra5aiwnhNPwQhaItqLqfVAzBzWTS-c0ov57vA77sSY7z2rAPniNTZvNDKUMZfXkGbrAzWQCv1qZrHSDSg3qjKiyU7_eC7562E4E85R2VNSwCtGeJJLgAb4JoBUkX8cOn-YW7xKv7mq24ixEkLrSvCint_SPV1kOoFa0e-FYBvRA-X5e5sItaWLcgSJ4jRxFhImzPQgymLOz7X93vKvNF5nr-spi1A9my05NiWkr-vMM4xm9RJAmqZ0e4SRFjq62_Iov__ZokAK-EkgB-HL_1&src-supplier=Texas+Instruments, ComponentLink2URL=https://octopart.com:443/opatz8j6/c1?t=9HQWOq9vND9b112XOORCH9Vsw1tDULado_71xZVJD5NCDKKbo5Ghebw2v1WkowqZDmkFyXd3CdhKpSqCk7PtQOQ7x-G2JpCPf_WjxdC5NMg5jKfyra5aiwnhNPwQhaItqLqfVAzBzWTS-c0ov57vA77sSY7z2rAPniNTZvNDKUMZfXkGbrAzWQCv1qZrHSDSg3qjKiyU7_eC7562E4E85R2VNSwCtGeJJLgAb4JoBUkX8cOn-YW7xKv7mq24ixEkLrSvCint_SPV1kOoFa0e-FYBvRA-X5e5sItaWLcgSJ4jRxFhImzPQgymLOz7X93vKvNF5nr-spi1A9my05NiWkr-vMM4xm9RJAmqZ0e4SRFjq62_Iov__ZokAK-EkgB-HL_1&src-supplier=Texas+Instruments, ComponentLink3Description=https://sigma.octopart.com:443/179129132/technical_drawing/Texas-Instruments-LMT86DCKT.pdf?src-supplier=Texas+Instruments, ComponentLink3URL=https://sigma.octopart.com:443/179129132/technical_drawing/Texas-Instruments-LMT86DCKT.pdf?src-supplier=Texas+Instruments, ComponentLink4Description=https://sigma.octopart.com:443/176385615/technical_drawing/Texas-Instruments-LMT86DCKT.pdf?src-supplier=Texas+Instruments, ComponentLink4URL=https://sigma.octopart.com:443/176385615/technical_drawing/Texas-Instruments-LMT86DCKT.pdf?src-supplier=Texas+Instruments, ComponentLink5Description=https://sigma.octopart.com:443/169406035/technical_drawing/Texas-Instruments-LMT86DCKT.pdf?src-supplier=Texas+Instruments, ComponentLink5URL=https://sigma.octopart.com:443/169406035/technical_drawing/Texas-Instruments-LMT86DCKT.pdf?src-supplier=Texas+Instruments, ComponentLink6Description=https://datasheet.octopart.com:443/LMT86DCKT-Texas-Instruments-datasheet-41216413.pdf?src-supplier=Texas+Instruments, ComponentLink6URL=https://datasheet.octopart.com:443/LMT86DCKT-Texas-Instruments-datasheet-41216413.pdf?src-supplier=Texas+Instruments, ComponentLink7Description=https://datasheet.octopart.com:443/LMT86DCKT-Texas-Instruments-datasheet-26524829.pdf?src-supplier=Texas+Instruments, ComponentLink7URL=https://datasheet.octopart.com:443/LMT86DCKT-Texas-Instruments-datasheet-26524829.pdf?src-supplier=Texas+Instruments, ComponentLink8Description=https://datasheet.octopart.com:443/LMT86DCKT-Texas-Instruments-datasheet-16054243.pdf?src-supplier=Texas+Instruments, ComponentLink8URL=https://datasheet.octopart.com:443/LMT86DCKT-Texas-Instruments-datasheet-16054243.pdf?src-supplier=Texas+Instruments, ComponentLink9Description=https://datasheet.octopart.com:443/LMT86DCKT-Texas-Instruments-datasheet-14434854.pdf?src-supplier=Texas+Instruments, ComponentLink9URL=https://datasheet.octopart.com:443/LMT86DCKT-Texas-Instruments-datasheet-14434854.pdf?src-supplier=Texas+Instruments, ComponentLink10Description=https://sigma.octopart.com:443/49249326/technical_drawing/Texas-Instruments-LMT86DCKT.pdf?src-supplier=Texas+Instruments, ComponentLink10URL=https://sigma.octopart.com:443/49249326/technical_drawing/Texas-Instruments-LMT86DCKT.pdf?src-supplier=Texas+Instruments, ComponentLink11Description=https://datasheet.octopart.com:443/LMT86DCKT-Texas-Instruments-datasheet-150945993.pdf?src-supplier=Upverter, ComponentLink11URL=https://datasheet.octopart.com:443/LMT86DCKT-Texas-Instruments-datasheet-150945993.pdf?src-supplier=Upverter, ComponentLink12Description=https://datasheet.octopart.com:443/LMT86DCKT-Texas-Instruments-datasheet-86781451.pdf?src-supplier=Farnell, ComponentLink12URL=https://datasheet.octopart.com:443/LMT86DCKT-Texas-Instruments-datasheet-86781451.pdf?src-supplier=Farnell, ComponentLink13Description=https://datasheet.octopart.com:443/LMT86DCKT-Texas-Instruments-datasheet-15501305.pdf?src-supplier=Newark, ComponentLink13URL=https://datasheet.octopart.com:443/LMT86DCKT-Texas-Instruments-datasheet-15501305.pdf?src-supplier=Newark, ComponentLink14Description=https://datasheet.octopart.com:443/LMT86DCKT-Texas-Instruments-datasheet-41204959.pdf?src-supplier=Newark, ComponentLink14URL=https://datasheet.octopart.com:443/LMT86DCKT-Texas-Instruments-datasheet-41204959.pdf?src-supplier=Newark, ComponentLink15Description=https://datasheet.octopart.com:443/LMT86DCKT-Texas-Instruments-datasheet-20674339.pdf?src-supplier=Newark, ComponentLink15URL=https://datasheet.octopart.com:443/LMT86DCKT-Texas-Instruments-datasheet-20674339.pdf?src-supplier=Newark, ComponentLink16Description=https://datasheet.octopart.com:443/LMT86DCKT-Texas-Instruments-datasheet-140571516.pdf?src-supplier=Arrow.cn, ComponentLink16URL=https://datasheet.octopart.com:443/LMT86DCKT-Texas-Instruments-datasheet-140571516.pdf?src-supplier=Arrow.cn, ComponentLink17Description=https://datasheet.octopart.com:443/LMT86DCKT-Texas-Instruments-datasheet-44401093.pdf?src-supplier=TME, ComponentLink17URL=https://datasheet.octopart.com:443/LMT86DCKT-Texas-Instruments-datasheet-44401093.pdf?src-supplier=TME, ComponentLink18Description=https://datasheet.octopart.com:443/LMT86DCKT-.-Texas-Instruments-datasheet-33010446.pdf?src-supplier=element14+APAC, ComponentLink18URL=https://datasheet.octopart.com:443/LMT86DCKT-.-Texas-Instruments-datasheet-33010446.pdf?src-supplier=element14+APAC, ComponentLink19Description=http://sigma.octopart.com:80/reach_statement/Texas-Instruments-company-64.pdf?src-supplier=Compliance+Statements, ComponentLink19URL=http://sigma.octopart.com:80/reach_statement/Texas-Instruments-company-64.pdf?src-supplier=Compliance+Statements, ComponentLink20Description=http://sigma.octopart.com:80/conflict_mineral_statement/Texas-Instruments-company-63.pdf?src-supplier=Compliance+Statements, ComponentLink20URL=http://sigma.octopart.com:80/conflict_mineral_statement/Texas-Instruments-company-63.pdf?src-supplier=Compliance+Statements, Height=1.1mm, Lead Free="Lead Free", Length=2mm, Lifecycle Status=Obsolete, Manufacturer Part Number=LMT86DCKT, Max Junction Temperature (Tj)=150°C, Max Operating Temperature=150°C, Mounting Technology="Surface Mount", Operating Supply Current=5.4µA, Output Type=ANALOG, Packaging="Cut Tape", Pins=5, Pricing="1=1,05, 10=0,822, 50=0,784, 100=0,709, 1000=0,635, 10000=0,596 (USD)", Quiescent Current=5.4µA, Radiation Hardening=No, REACH SVHC=No, RoHS=Compliant, Schedule B="8542390000, 8542390000|8542390000|8542390000|8542390000|8542390000", Stock=14953, Supplier=Mouser, Thickness=900µm, Width=1.25mm, Interface=Analog